# Altium PCB PCB1.PcbDoc (part 8 of 9)
Units mil, origin at the board's own origin, x right, y up, seen from the top; angles counter-clockwise.
Board outline 6000 x 4000 mil, 7 copper layers (Top Layer, InternalPlane1, MidLayer1, InternalPlane2, Internal Plane 3, MidLayer2, Bottom Layer); 389 components, 0 nets, 1750 pads, 1189 vias.
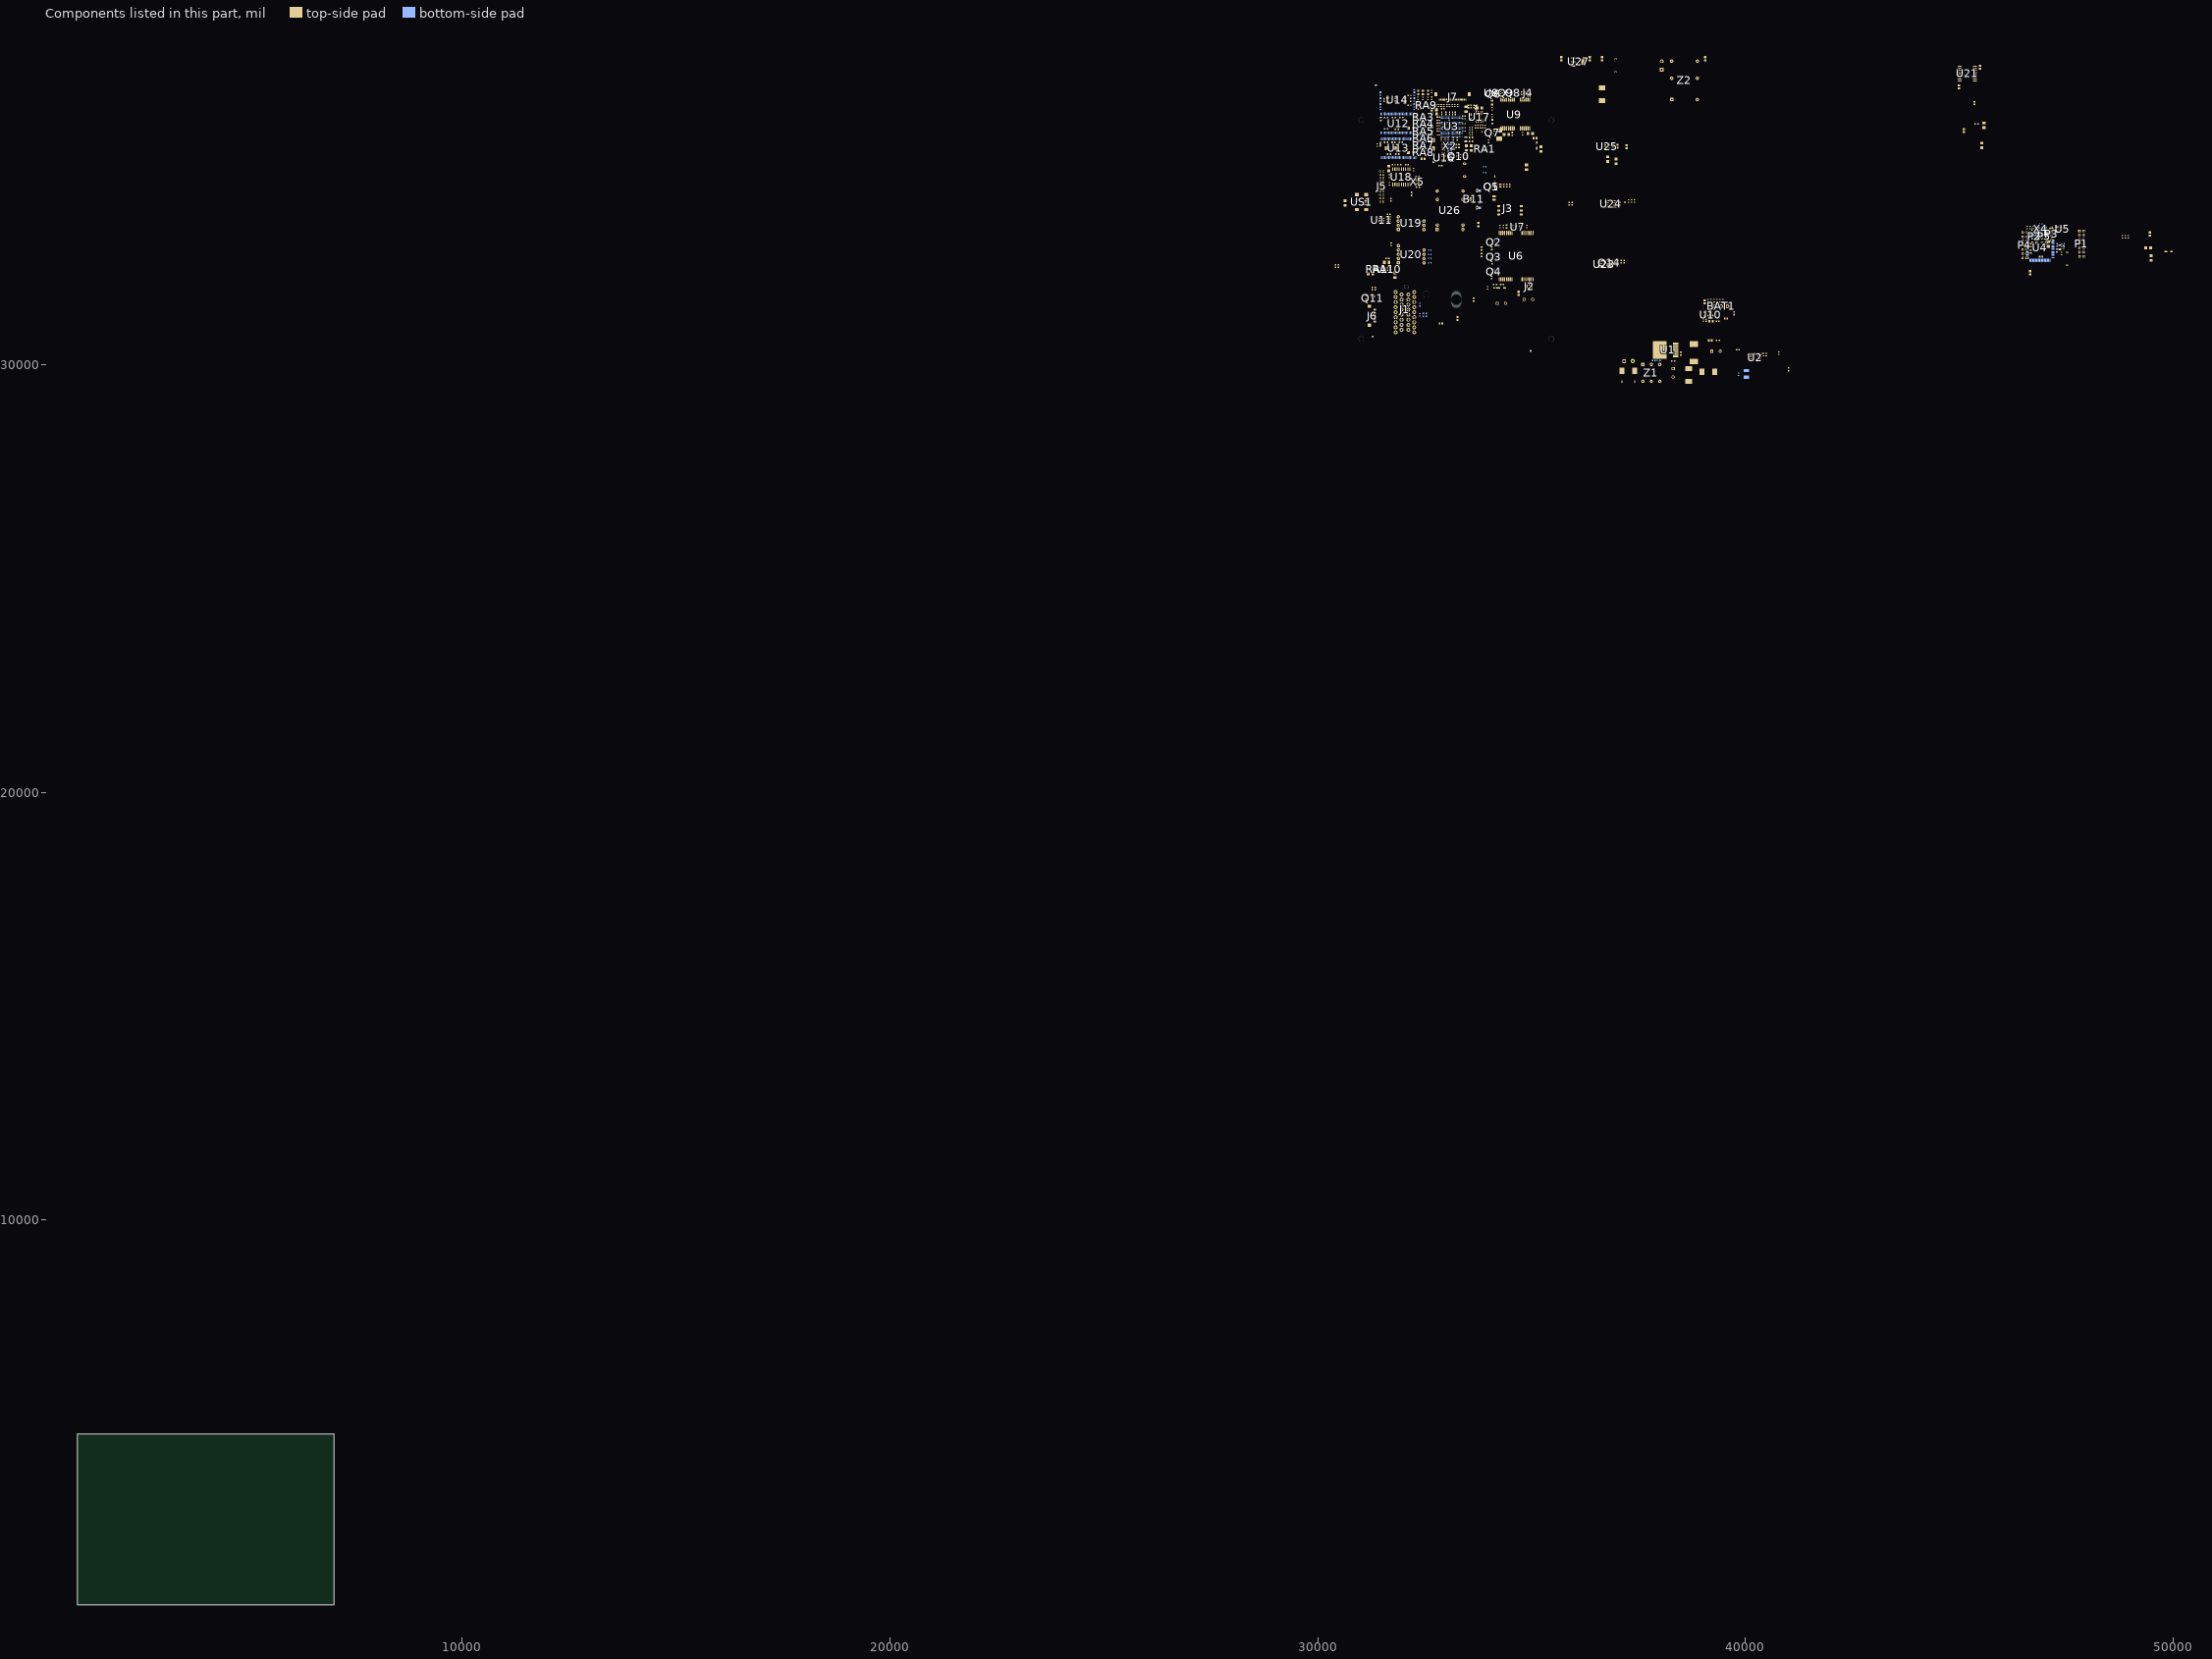
[diagram p13: the components of this part, seen from the top]

## Via types
v1: diameter 18, hole 10, Top Layer to Bottom Layer, tented both sides, 402 vias
v2: diameter 20, hole 10, Top Layer to Bottom Layer, tented both sides, 376 vias
v3: diameter 25, hole 15, Top Layer to Bottom Layer, tented both sides, 361 vias
v4: diameter 23.62, hole 11.81, Top Layer to Bottom Layer, tented both sides, 45 vias
v5: diameter 50, hole 28, Top Layer to Bottom Layer, tented both sides, 4 vias
v6: diameter 30, hole 15, Top Layer to Bottom Layer, tented both sides, 1 vias

## Nets (pads, with @x,y where several pads share a name; then routed paths per layer and width w, separated by ;. In a path a pad name is that pad's centre, name@x,y a point inside that pad or via, vN(x,y) a via of type N, cw(c..) or ccw(c..) an arc to the next point about the centre after c; other vN are vias at no path point) (continued)
copper on no net: (continued)
  Bottom Layer w10: 31471.22,36190.16 31506.13,36190.16 v1(31519.97,36176.32) ; 31471.22,36209.85 31504.28,36209.85 v2(31518.98,36224.55) ; v1@31472.47,34894.01 cw(c31465.64,34887.18) 31475.3,34887.18 cw(c31484.96,34887.18) v1@31478.13,34894.01 ; 31475.3,34850.78 v1(31475.3,34896.84) ; v1@31475.47,35479.01 cw(c31468.64,35472.18) 31478.3,35472.18 cw(c31487.96,35472.18) v1@31481.13,35479.01 ; 31478.3,35433.78 v1(31478.3,35481.84) ; v2@31513.98,36224.55 cw(c31501.91,36224.55) 31510.45,36216.02 cw(c31518.98,36207.48) v2@31518.98,36219.55 ; v1@31515.97,36176.32 ccw(c31506.31,36176.32) 31513.14,36183.15 ccw(c31519.97,36189.98) v1@31519.97,36180.32 ; v1@31535.46,34894 cw(c31528.63,34887.17) 31538.29,34887.17 cw(c31547.95,34887.17) v1@31541.12,34894 ; 31538.29,34850.78 v1(31538.29,34896.83) ; v1@31538.46,35479 cw(c31531.63,35472.17) 31541.29,35472.17 cw(c31550.95,35472.17) v1@31544.12,35479 ; 31541.29,35433.78 v1(31541.29,35481.83) ; v1@31629.95,35245.15 ccw(c31623.12,35251.97) 31632.78,35251.97 ccw(c31642.44,35251.97) v1@31635.61,35245.15 ; v1(31632.78,35242.32) 31632.78,35287.79 ; v1@31632.95,35828.08 ccw(c31626.12,35834.91) 31635.78,35834.91 ccw(c31645.44,35834.91) v1@31638.61,35828.08 ; v1(31635.78,35825.25) 31635.78,35870.79 ; v2@31695.23,35912.61 cw(c31686.7,35904.08) 31698.77,35904.08 cw(c31710.84,35904.08) v2@31702.31,35912.61 ; 31698.77,35870.79 v2(31698.77,35916.15) ; v1@31724.44,34893.98 cw(c31717.61,34887.15) 31727.27,34887.15 cw(c31736.92,34887.15) v1@31730.09,34893.98 ; 31727.27,34850.78 v1(31727.27,34896.8) ; v1@31727.44,35478.98 cw(c31720.61,35472.15) 31730.27,35472.15 cw(c31739.92,35472.15) v1@31733.09,35478.98 ; 31730.27,35433.78 v1(31730.27,35481.8) ; v1@31818.93,35244.11 ccw(c31812.1,35250.93) 31821.75,35250.93 ccw(c31831.41,35250.93) v1@31824.58,35244.11 ; v1(31821.75,35241.28) 31821.75,35287.79 ; v1@31821.93,35826.11 ccw(c31815.1,35832.93) 31824.75,35832.93 ccw(c31834.41,35832.93) v1@31827.58,35826.11 ; v1(31824.75,35823.28) 31824.75,35870.79 ; v1@31881.92,34894.46 cw(c31875.09,34887.63) 31884.75,34887.63 cw(c31894.4,34887.63) v1@31887.57,34894.46 ; 31884.75,34850.78 v1(31884.75,34897.28) ; v1@31884.92,35476.46 cw(c31878.09,35469.63) 31887.75,35469.63 cw(c31897.4,35469.63) v1@31890.57,35476.46 ; 31887.75,35433.78 v1(31887.75,35479.28) ; v1(32211.9,36173.37) 32228.69,36190.16 32258.62,36190.16 ; v1@32211.9,36177.37 ccw(c32211.9,36187.03) 32218.73,36180.2 ccw(c32225.55,36173.37) v1@32215.9,36173.37 ; v2@32211.9,36218.57 cw(c32211.9,36206.5) 32220.43,36215.03 cw(c32228.97,36223.57) v2@32216.9,36223.57 ; v2(32211.9,36223.57) 32225.61,36209.85 32258.62,36209.85 ; v2(32212.94,36072.05) 32258.62,36072.05 ; v2@32216.48,36068.52 cw(c32225.01,36059.98) 32225.01,36072.05 cw(c32225.01,36084.12) v2@32216.48,36075.59 ; 32258.62,36091.74 v2(32301.4,36091.74) ; v1@32291.37,34896.9 cw(c32284.54,34890.08) 32294.19,34890.08 cw(c32303.85,34890.08) v1@32297.02,34896.9 ; v1@32291.37,35243.67 ccw(c32284.54,35250.49) 32294.19,35250.49 ccw(c32303.85,35250.49) v1@32297.02,35243.67 ; 32294.19,34850.78 v1(32294.19,34899.73) ; v1(32294.19,35240.84) 32294.19,35287.79 ; v1@32294.37,35478.01 cw(c32287.54,35471.18) 32297.19,35471.18 cw(c32306.85,35471.18) v1@32300.02,35478.01 ; 32297.19,35433.78 v1(32297.19,35480.84) ; v2@32297.87,36088.2 ccw(c32289.33,36079.67) 32289.33,36091.74 ccw(c32289.33,36103.81) v2@32297.87,36095.28 ; v1(32401.83,35728.92) 32421.84,35748.93 32441.11,35748.93 ; v1@32401.83,35732.92 ccw(c32401.83,35742.58) 32408.66,35735.75 ccw(c32415.49,35728.92) v1@32405.83,35728.92 ; 32428.55,35414.81 32441.11,35414.81 ; 32441.11,35352.75 32441.11,35357.91 ; 32480.7,35247.75 32483.53,35250.58 ; 32489.96,35519.81 32490.42,35520.26 ; 32496.96,34987.78 32501.11,34983.63 ; 32500.96,35616.72 32501.11,35616.87 ; 32504.22,35484.81 32508.13,35480.89 ; v2@32767.75,35721.83 ccw(c32784.33,35721.83) 32772.6,35710.1 ; v2@32769.26,35718.25 cw(c32761.17,35709.96) 32772.75,35709.96 ; v1@32770.9,35408.4 32771.08,35408.21 32786.99,35392.31 32874.27,35392.31 ; v1@32770.93,35404.06 cw(c32770.93,35393.64) 32778.29,35401.01 ; v1(32772.29,35470.83) 32788.26,35486.8 32874.27,35486.8 ; v1@32772.29,35474.83 ccw(c32772.29,35484.48) 32779.12,35477.66 ccw(c32785.95,35470.83) v1@32776.29,35470.83 ; v1@32772.62,35524.7 cw(c32772.62,35515.04) 32779.45,35521.87 cw(c32786.28,35528.7) v1@32776.62,35528.7 ; v1(32772.62,35528.7) 32783.03,35518.29 32874.27,35518.29 v1(32890.02,35534.04) 32905.77,35549.79 ; v2@32772.75,35790.83 cw(c32772.75,35778.76) 32781.28,35787.29 cw(c32789.82,35795.83) v2@32777.75,35795.83 ; v2(32772.75,35795.83) 32798.31,35770.26 32874.27,35770.26 ; v1@32774.93,35408.06 ccw(c32783.83,35408.06) 32777.53,35401.76 ; v2@32776.24,35718.25 ccw(c32784.33,35709.96) 32772.75,35709.96 ; v2@32776.28,35718.29 cw(c32784.82,35709.76) 32784.82,35721.83 cw(c32784.82,35733.9) v2@32776.28,35725.36 ; v2@32777.75,35721.83 ccw(c32818.47,35721.83) 32789.68,35693.03 ; v1(32858.24,35565.83) 32873.69,35581.28 ; v1@32858.24,35569.83 ccw(c32858.24,35579.48) 32865.06,35572.66 ccw(c32871.89,35565.83) v1@32862.24,35565.83 ; v1(32858.75,35345.28) 32874.27,35360.81 ; v1@32858.75,35349.28 ccw(c32858.75,35358.94) 32865.57,35352.11 ccw(c32872.4,35345.28) v1@32862.75,35345.28 ; v1@32859.51,35687.52 cw(c32859.51,35677.86) 32866.34,35684.69 cw(c32873.17,35691.52) v1@32863.51,35691.52 ; v1(32859.51,35691.52) 32874.27,35676.76 32874.27,35675.77 ; 32874.27,35549.79 32874.27,35551.35 v1(32888.62,35565.7) ; 32874.27,35644.28 32838.43,35644.28 32772.75,35709.96 ; 32874.27,35707.27 32872.02,35709.52 32872.02,35724.99 ; 32874.27,35738.77 32872.02,35736.52 32872.02,35724.99 ; 32874.27,35833.25 v1(32890.02,35817.51) ; v1@32884.62,35565.7 cw(c32874.96,35565.7) 32881.79,35558.87 cw(c32888.62,35552.04) v1@32888.62,35561.7 ; v1@32886.02,35534.04 cw(c32876.37,35534.04) 32883.19,35527.21 cw(c32890.02,35520.38) v1@32890.02,35530.04 ; v1@32886.02,35817.51 ccw(c32876.37,35817.51) 32883.19,35824.34 ccw(c32890.02,35831.16) v1@32890.02,35821.51 ; v1(32890.02,35345.06) 32905.77,35360.81 ; v1@32890.02,35349.06 ccw(c32890.02,35358.72) 32896.85,35351.89 ccw(c32903.68,35345.06) v1@32894.02,35345.06 ; v1(32890.02,35408.06) 32905.77,35423.8 ; v1@32890.02,35412.06 ccw(c32890.02,35421.71) 32896.85,35414.89 ccw(c32903.68,35408.06) v1@32894.02,35408.06 ; v1(32890.02,35471.05) 32905.77,35486.8 ; v1@32890.02,35475.05 ccw(c32890.02,35484.71) 32896.85,35477.88 ccw(c32903.68,35471.05) v1@32894.02,35471.05 ; v1@32890.02,35538.04 ccw(c32890.02,35547.7) 32896.85,35540.87 ccw(c32903.68,35534.04) v1@32894.02,35534.04 ; v1@32890.02,35687.52 cw(c32890.02,35677.86) 32896.85,35684.69 cw(c32903.68,35691.52) v1@32894.02,35691.52 ; v1(32890.02,35691.52) 32905.77,35675.77 ; 32905.77,35392.31 v1(32921.52,35408.06) ; 32905.77,35455.3 v1(32921.52,35471.05) ; 32905.77,35518.29 v1(32921.52,35534.04) ; 32905.77,35707.27 v1(32921.52,35723.02) ; 32905.77,35833.25 v1(32921.52,35817.51) ; v1@32917.52,35408.06 cw(c32907.86,35408.06) 32914.69,35401.23 cw(c32921.52,35394.4) v1@32921.52,35404.06 ; v1@32917.52,35471.05 cw(c32907.86,35471.05) 32914.69,35464.22 cw(c32921.52,35457.39) v1@32921.52,35467.05 ; v1@32917.52,35534.04 cw(c32907.86,35534.04) 32914.69,35527.21 cw(c32921.52,35520.38) v1@32921.52,35530.04 ; v1@32917.52,35723.02 cw(c32907.86,35723.02) 32914.69,35716.19 cw(c32921.52,35709.36) v1@32921.52,35719.02 ; v1@32917.52,35817.51 ccw(c32907.86,35817.51) 32914.69,35824.34 ccw(c32921.52,35831.16) v1@32921.52,35821.51 ; v1(32921.52,35376.56) 32937.27,35392.31 ; v1@32921.52,35380.56 ccw(c32921.52,35390.22) 32928.35,35383.39 ccw(c32935.18,35376.56) v1@32925.52,35376.56 ; v1@32921.52,35435.55 cw(c32921.52,35425.9) 32928.35,35432.72 cw(c32935.18,35439.55) v1@32925.52,35439.55 ; v1(32921.52,35439.55) 32937.27,35423.8 ; v1(32921.52,35628.53) 32937.27,35644.28 ; v1@32921.52,35632.53 ccw(c32921.52,35642.19) 32928.35,35635.36 ccw(c32935.18,35628.53) v1@32925.52,35628.53 ; v1@32921.52,35687.52 cw(c32921.52,35677.87) 32928.35,35684.69 cw(c32935.18,35691.52) v1@32925.52,35691.52 ; v1(32921.52,35691.52) 32937.27,35675.77 ; v1@32934.44,35854.98 cw(c32927.61,35848.15) 32937.27,35848.15 cw(c32946.92,35848.15) v1@32940.09,35854.98 ; 32937.27,35329.32 32968.76,35360.81 ; 32937.27,35455.3 v1(32953.01,35471.05) ; 32937.27,35486.8 v1(32953.01,35502.54) ; 32937.27,35612.78 v1(32953.01,35597.03) ; 32937.27,35833.25 v1(32937.27,35857.8) ; v1@32949.01,35345.06 cw(c32939.36,35345.06) 32946.19,35338.24 cw(c32953.01,35331.41) 32953.01,35341.06 cw(c32953.01,35331.41) 32959.84,35338.24 cw(c32966.67,35345.06) 32957.01,35345.06 cw(c32966.67,35345.06) 32959.84,35351.89 cw(c32953.01,35358.72) v1@32953.01,35349.06 ; v1@32949.01,35471.05 cw(c32939.36,35471.05) 32946.19,35464.22 cw(c32953.01,35457.39) v1@32953.01,35467.05 ; v1@32949.01,35502.54 cw(c32939.36,35502.54) 32946.19,35495.72 cw(c32953.01,35488.89) v1@32953.01,35498.54 ; v1@32949.01,35597.03 ccw(c32939.36,35597.03) 32946.19,35603.86 ccw(c32953.01,35610.69) v1@32953.01,35601.03 ; v1(32953.01,35345.06) 32968.76,35329.32 ; v1(32953.01,35376.56) 32968.76,35392.31 ; v1@32953.01,35380.56 ccw(c32953.01,35390.22) 32959.84,35383.39 ccw(c32966.67,35376.56) v1@32957.01,35376.56 ; v1(32953.01,35408.06) 32968.76,35423.8 ; v1@32953.01,35412.06 ccw(c32953.01,35421.71) 32959.84,35414.89 ccw(c32966.67,35408.06) v1@32957.01,35408.06 ; v1(32953.01,35439.55) 32968.76,35455.3 ; v1@32953.01,35443.55 ccw(c32953.01,35453.21) 32959.84,35446.38 ccw(c32966.67,35439.55) v1@32957.01,35439.55 ; v1@32953.01,35624.53 cw(c32953.01,35614.87) 32959.84,35621.7 cw(c32966.67,35628.53) v1@32957.01,35628.53 ; v1(32953.01,35628.53) 32968.76,35612.78 ; v1@32953.01,35687.52 cw(c32953.01,35677.87) 32959.84,35684.69 cw(c32966.67,35691.52) v1@32957.01,35691.52 ; v1(32953.01,35691.52) 32968.76,35675.77 ; v1@32953.01,35719.02 cw(c32953.01,35709.36) 32959.84,35716.19 cw(c32966.67,35723.02) v1@32957.01,35723.02 ; v1(32953.01,35723.02) 32968.76,35707.27 ; v1@32953.01,35750.51 cw(c32953.01,35740.86) 32959.84,35747.69 cw(c32966.67,35754.51) v1@32957.01,35754.51 ; v1(32953.01,35754.51) 32968.76,35738.77 ; v1@32953.01,35813.51 cw(c32953.01,35803.85) 32959.84,35810.68 cw(c32966.67,35817.51) v1@32957.01,35817.51 ; v1(32953.01,35817.51) 32968.76,35801.76 ; 32968.76,35486.8 v1(32984.51,35502.54) ; 32968.76,35644.28 v1(32984.51,35628.53) ; v1@32980.51,35502.54 cw(c32970.85,35502.54) 32977.68,35495.72 cw(c32984.51,35488.89) v1@32984.51,35498.54 ; v1@32980.51,35628.53 ccw(c32970.85,35628.53) 32977.68,35635.36 ccw(c32984.51,35642.19) v1@32984.51,35632.53 ; v1(32984.51,35376.56) 33000.26,35392.31 ; v1@32984.51,35380.56 ccw(c32984.51,35390.22) 32991.34,35383.39 ccw(c32998.17,35376.56) v1@32988.51,35376.56 ; v1(32984.51,35408.06) 33000.26,35423.8 ; v1@32984.51,35412.06 ccw(c32984.51,35421.71) 32991.34,35414.89 ccw(c32998.17,35408.06) v1@32988.51,35408.06 ; v1(32984.51,35439.55) 33000.26,35455.3 ; v1@32984.51,35443.55 ccw(c32984.51,35453.21) 32991.34,35446.38 ccw(c32998.17,35439.55) v1@32988.51,35439.55 ; v1(32984.51,35471.05) 33000.26,35486.8 ; v1@32984.51,35475.05 ccw(c32984.51,35484.71) 32991.34,35477.88 ccw(c32998.17,35471.05) v1@32988.51,35471.05 ; v1@32984.51,35530.04 cw(c32984.51,35520.38) 32991.34,35527.21 cw(c32998.17,35534.04) v1@32988.51,35534.04 ; v1(32984.51,35534.04) 33000.26,35518.29 ; v1(32984.51,35597.03) 33000.26,35612.78 ; v1@32984.51,35601.03 ccw(c32984.51,35610.69) 32991.34,35603.86 ccw(c32998.17,35597.03) v1@32988.51,35597.03 ; v1@32984.51,35687.52 cw(c32984.51,35677.87) 32991.34,35684.69 cw(c32998.17,35691.52) v1@32988.51,35691.52 ; v1(32984.51,35691.52) 33000.26,35675.77 ; v1@32984.51,35750.51 cw(c32984.51,35740.86) 32991.34,35747.69 cw(c32998.17,35754.51) v1@32988.51,35754.51 ; v1(32984.51,35754.51) 33000.26,35738.77 ; 33000.26,35581.28 v1(33016.01,35597.03) ; 33000.26,35707.27 v1(33016.01,35691.52) ; v1@33012.01,35597.03 cw(c33002.35,35597.03) 33009.18,35590.2 cw(c33016.01,35583.38) v1@33016.01,35593.03 ; v1@33012.01,35691.52 ccw(c33002.35,35691.52) 33009.18,35698.35 ccw(c33016.01,35705.18) v1@33016.01,35695.52 ; v1(33015.02,35258.43) 33063.25,35306.67 33063.25,35329.32 ; v1@33015.02,35262.43 ccw(c33015.02,35272.09) 33021.85,35265.26 ccw(c33028.68,35258.43) v1@33019.02,35258.43 ; v1(33016.01,35311.6) 33031.75,35327.35 33031.75,35329.32 ; v1@33016.01,35315.6 ccw(c33016.01,35325.26) 33022.83,35318.43 ccw(c33029.66,35311.6) v1@33020.01,35311.6 ; v1(33016.01,35345.06) 33031.75,35360.81 ; v1@33016.01,35349.06 ccw(c33016.01,35358.72) 33022.83,35351.89 ccw(c33029.66,35345.06) v1@33020.01,35345.06 ; v1(33016.01,35376.56) 33031.75,35392.31 ; v1@33016.01,35380.56 ccw(c33016.01,35390.22) 33022.83,35383.39 ccw(c33029.66,35376.56) v1@33020.01,35376.56 ; v1(33016.01,35408.06) 33031.75,35423.8 ; v1@33016.01,35412.06 ccw(c33016.01,35421.71) 33022.83,35414.89 ccw(c33029.66,35408.06) v1@33020.01,35408.06 ; v1(33016.01,35439.55) 33031.75,35455.3 ; v1@33016.01,35443.55 ccw(c33016.01,35453.21) 33022.83,35446.38 ccw(c33029.66,35439.55) v1@33020.01,35439.55 ; v1(33016.01,35471.05) 33031.75,35486.8 ; v1@33016.01,35475.05 ccw(c33016.01,35484.71) 33022.83,35477.88 ccw(c33029.66,35471.05) v1@33020.01,35471.05 ; v1(33016.01,35502.54) 33031.75,35518.29 ; v1@33016.01,35506.54 ccw(c33016.01,35516.2) 33022.83,35509.37 ccw(c33029.66,35502.54) v1@33020.01,35502.54 ; v1(33016.01,35534.04) 33031.75,35549.79 ; v1@33016.01,35538.04 ccw(c33016.01,35547.7) 33022.83,35540.87 ccw(c33029.66,35534.04) v1@33020.01,35534.04 ; v1@33016.01,35624.53 cw(c33016.01,35614.87) 33022.83,35621.7 cw(c33029.66,35628.53) v1@33020.01,35628.53 ; v1(33016.01,35628.53) 33031.75,35612.78 ; v1@33016.01,35719.02 cw(c33016.01,35709.36) 33022.83,35716.19 cw(c33029.66,35723.02) v1@33020.01,35723.02 ; v1(33016.01,35723.02) 33031.75,35707.27 ; v1@33016.01,35750.51 cw(c33016.01,35740.86) 33022.83,35747.69 cw(c33029.66,35754.51) v1@33020.01,35754.51 ; v1(33016.01,35754.51) 33031.75,35738.77 ; v1@33016.01,35782.01 cw(c33016.01,35772.35) 33022.83,35779.18 cw(c33029.66,35786.01) v1@33020.01,35786.01 ; v1(33016.01,35786.01) 33031.75,35770.26 ; v1@33028.93,35853.46 cw(c33022.1,35846.64) 33031.75,35846.64 cw(c33041.41,35846.64) v1@33034.58,35853.46 ; 33031.75,35833.25 v1(33031.75,35856.29) ; v1(33047.5,35439.55) 33063.25,35455.3 ; v1@33047.5,35443.55 ccw(c33047.5,35453.21) 33054.33,35446.38 ccw(c33061.16,35439.55) v1@33051.5,35439.55 ; v1(33047.5,35471.05) 33063.25,35486.8 ; v1@33047.5,35475.05 ccw(c33047.5,35484.71) 33054.33,35477.88 ccw(c33061.16,35471.05) v1@33051.5,35471.05 ; v1(33047.5,35502.54) 33063.25,35518.29 ; v1@33047.5,35506.54 ccw(c33047.5,35516.2) 33054.33,35509.37 ccw(c33061.16,35502.54) v1@33051.5,35502.54 ; v1@33047.5,35561.54 cw(c33047.5,35551.88) 33054.33,35558.71 cw(c33061.16,35565.54) v1@33051.5,35565.54 ; v1(33047.5,35565.54) 33063.25,35549.79 ; v1(33047.5,35597.03) 33063.25,35612.78 ; v1@33047.5,35601.03 ccw(c33047.5,35610.69) 33054.33,35603.86 ccw(c33061.16,35597.03) v1@33051.5,35597.03 ; v1@33047.5,35687.52 cw(c33047.5,35677.87) 33054.33,35684.69 cw(c33061.16,35691.52) v1@33051.5,35691.52 ; v1(33047.5,35691.52) 33063.25,35675.77 ; 33063.25,35392.31 v1(33079,35376.56) ; 33063.25,35423.8 v1(33079,35408.06) ; 33063.25,35738.77 v1(33079,35754.51) ; 33063.25,35833.25 v1(33079,35817.51) 33094.75,35833.25 ; v1@33075,35376.56 ccw(c33065.34,35376.56) 33072.17,35383.39 ccw(c33079,35390.22) v1@33079,35380.56 ; v1@33075,35408.06 ccw(c33065.34,35408.06) 33072.17,35414.89 ccw(c33079,35421.71) v1@33079,35412.06 ; v1@33075,35754.51 cw(c33065.34,35754.51) 33072.17,35747.69 cw(c33079,35740.86) v1@33079,35750.51 ; v1@33075,35817.51 ccw(c33065.34,35817.51) 33072.17,35824.34 ccw(c33079,35831.16) 33079,35821.51 ccw(c33079,35831.16) 33085.83,35824.34 ccw(c33092.66,35817.51) v1@33083,35817.51 ; v1(33079,35439.55) 33094.75,35455.3 ; v1@33079,35443.55 ccw(c33079,35453.21) 33085.83,35446.38 ccw(c33092.66,35439.55) v1@33083,35439.55 ; v1(33079,35471.05) 33094.75,35486.8 ; v1@33079,35475.05 ccw(c33079,35484.71) 33085.83,35477.88 ccw(c33092.66,35471.05) v1@33083,35471.05 ; v1@33079,35530.04 cw(c33079,35520.38) 33085.83,35527.21 cw(c33092.66,35534.04) v1@33083,35534.04 ; v1(33079,35534.04) 33094.75,35518.29 ; v1(33079,35597.03) 33094.75,35612.78 ; v1@33079,35601.03 ccw(c33079,35610.69) 33085.83,35603.86 ccw(c33092.66,35597.03) v1@33083,35597.03 ; 33094.75,35392.31 v1(33110.49,35376.56) ; 33094.75,35423.8 v1(33110.49,35439.55) ; v1@33106.49,35376.56 ccw(c33096.84,35376.56) 33103.67,35383.39 ccw(c33110.49,35390.22) v1@33110.49,35380.56 ; v1@33106.49,35439.55 cw(c33096.84,35439.55) 33103.67,35432.72 cw(c33110.49,35425.9) v1@33110.49,35435.55 ; v1(33110.49,35408.06) 33126.24,35423.8 ; v1@33110.49,35412.06 ccw(c33110.49,35421.71) 33117.32,35414.89 ccw(c33124.15,35408.06) v1@33114.49,35408.06 ; v1@33110.49,35467.05 cw(c33110.49,35457.39) 33117.32,35464.22 cw(c33124.15,35471.05) v1@33114.49,35471.05 ; v1(33110.49,35471.05) 33126.24,35455.3 ; v1(33110.49,35502.54) 33126.24,35518.29 ; v1@33110.49,35506.54 ccw(c33110.49,35516.2) 33117.32,35509.37 ccw(c33124.15,35502.54) v1@33114.49,35502.54 ; v1(33110.49,35534.04) 33126.24,35549.79 ; v1@33110.49,35538.04 ccw(c33110.49,35547.7) 33117.32,35540.87 ccw(c33124.15,35534.04) v1@33114.49,35534.04 ; v1@33110.49,35813.51 cw(c33110.49,35803.85) 33117.32,35810.68 cw(c33124.15,35817.51) v1@33114.49,35817.51 ; v1(33110.49,35817.51) 33126.24,35801.76 ; v1@33123.41,35853.95 cw(c33116.59,35847.12) 33126.24,35847.12 cw(c33135.9,35847.12) v1@33129.07,35853.95 ; 33126.24,35329.32 v1(33141.99,35313.57) ; 33126.24,35360.81 v1(33141.99,35345.06) ; 33126.24,35392.31 v1(33141.99,35376.56) ; 33126.24,35644.28 v1(33141.99,35628.53) ; 33126.24,35675.77 v1(33141.99,35660.03) ; 33126.24,35707.27 v1(33141.99,35691.52) ; 33126.24,35833.25 v1(33126.24,35856.78) ; v1@33137.99,35313.57 ccw(c33128.33,35313.57) 33135.16,35320.4 ccw(c33141.99,35327.23) v1@33141.99,35317.57 ; v1@33137.99,35345.06 ccw(c33128.33,35345.06) 33135.16,35351.89 ccw(c33141.99,35358.72) v1@33141.99,35349.06 ; v1@33137.99,35376.56 ccw(c33128.33,35376.56) 33135.16,35383.39 ccw(c33141.99,35390.22) v1@33141.99,35380.56 ; v1@33137.99,35628.53 ccw(c33128.33,35628.53) 33135.16,35635.36 ccw(c33141.99,35642.19) v1@33141.99,35632.53 ; v1@33137.99,35660.03 ccw(c33128.33,35660.03) 33135.16,35666.86 ccw(c33141.99,35673.68) v1@33141.99,35664.03 ; v1@33137.99,35691.52 ccw(c33128.33,35691.52) 33135.16,35698.35 ccw(c33141.99,35705.18) v1@33141.99,35695.52 ; v1(33141.99,35723.02) 33157.74,35738.77 ; v1@33141.99,35727.02 ccw(c33141.99,35736.68) 33148.82,35729.85 ccw(c33155.65,35723.02) v1@33145.99,35723.02 ; v1@33141.99,35813.51 cw(c33141.99,35803.85) 33148.82,35810.68 cw(c33155.65,35817.51) v1@33145.99,35817.51 ; v1(33141.99,35817.51) 33157.74,35801.76 ; 33157.74,35455.3 v1(33173.49,35439.55) ; 33157.74,35486.8 v1(33173.49,35502.54) ; 33157.74,35549.79 v1(33173.49,35534.04) ; 33157.74,35581.28 v1(33173.49,35565.54) ; 33157.74,35644.28 v1(33173.49,35660.02) ; 33157.74,35675.77 v1(33173.49,35691.52) ; 33157.74,35833.25 v1(33173.49,35817.51) ; v1@33169.49,35439.55 ccw(c33159.83,35439.55) 33166.66,35446.38 ccw(c33173.49,35453.21) v1@33173.49,35443.55 ; v1@33169.49,35502.54 cw(c33159.83,35502.54) 33166.66,35495.72 cw(c33173.49,35488.89) v1@33173.49,35498.54 ; v1@33169.49,35534.04 ccw(c33159.83,35534.04) 33166.66,35540.87 ccw(c33173.49,35547.7) v1@33173.49,35538.04 ; v1@33169.49,35565.54 ccw(c33159.83,35565.54) 33166.66,35572.37 ccw(c33173.49,35579.19) v1@33173.49,35569.54 ; v1@33169.49,35660.02 cw(c33159.83,35660.02) 33166.66,35653.2 cw(c33173.49,35646.37) v1@33173.49,35656.02 ; v1@33169.49,35691.52 cw(c33159.83,35691.52) 33166.66,35684.69 cw(c33173.49,35677.87) v1@33173.49,35687.52 ; v1@33169.49,35817.51 ccw(c33159.83,35817.51) 33166.66,35824.34 ccw(c33173.49,35831.16) v1@33173.49,35821.51 ; v1@33173.49,35719.02 cw(c33173.49,35709.36) 33180.31,35716.19 cw(c33187.14,35723.02) v1@33177.49,35723.02 ; v1(33173.49,35723.02) 33189.23,35707.27 ; 33189.23,35392.31 v1(33204.98,35376.56) ; 33189.23,35423.8 v1(33204.98,35408.06) ; 33189.23,35455.3 v1(33204.98,35439.55) ; 33189.23,35486.8 v1(33204.98,35471.05) 